# Allegro board T736_DEMO_CORE_AXP8191_LP4_4X_32X1_V0_5-draft.brd (continued)
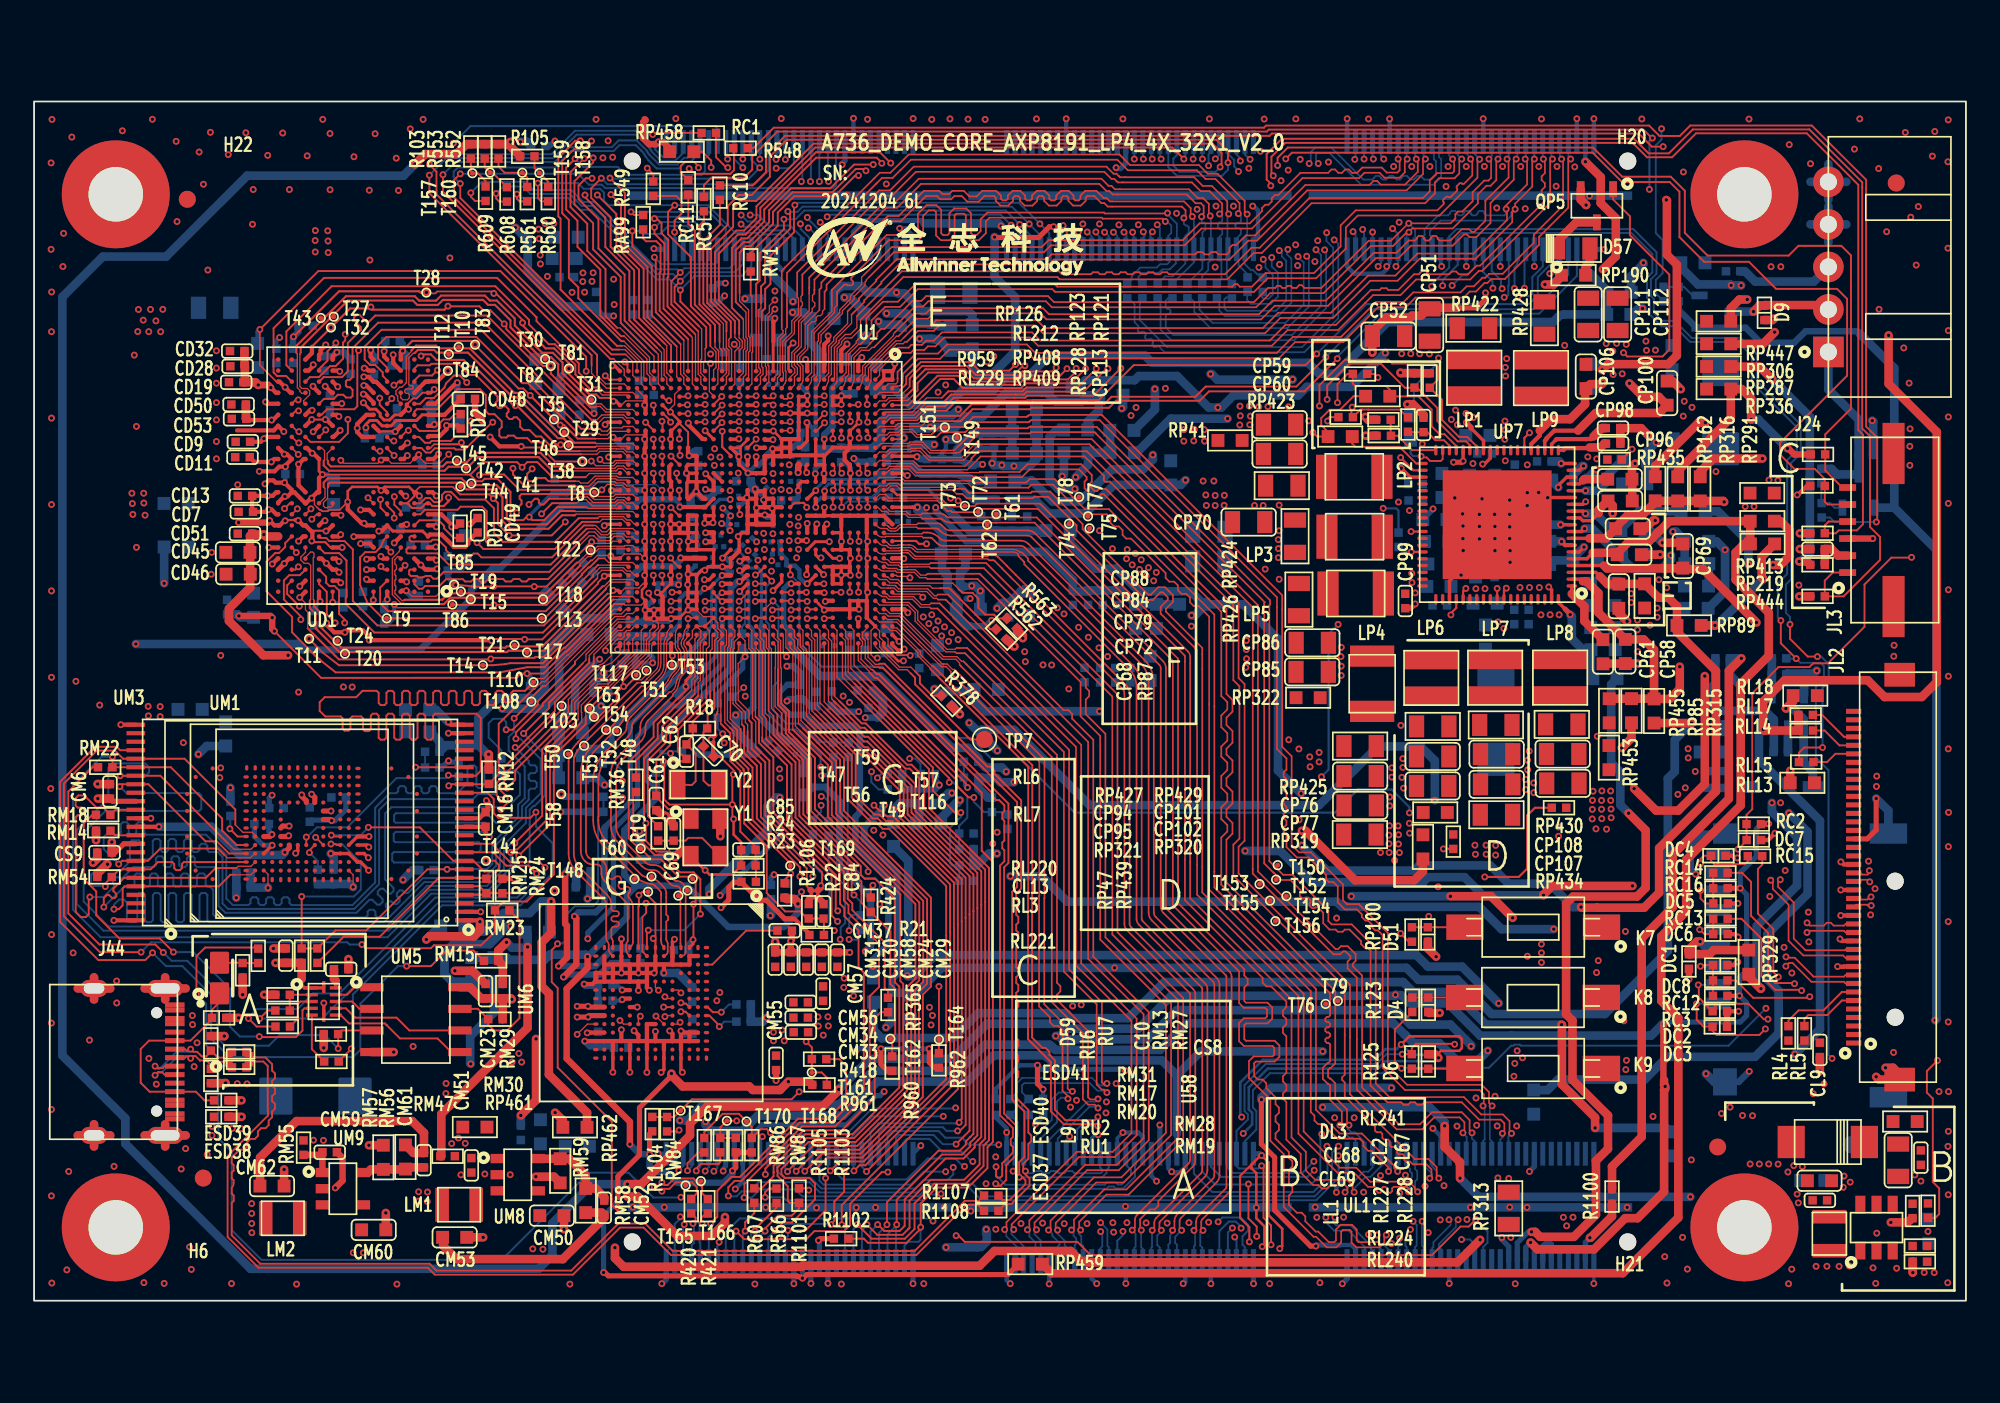
[diagram p0: board, top side]
## Routing (per net, layer and track width the routed paths; a pad name or vN(x,y) marks a point on that pad's centre or on a via; arc(x,y) is an arc through that point) (continued)
PI4: length 40.7
  TOP w0.076: 45.35,33.81 45.06,34.1 45.06,38.18 44.87,38.37 44.87,38.85 44.67,39.04 44.67,39.4 U1.N31
  TOP w0.114: v1(45.28,7.61) 45.28,7.62 46.31,8.65 48.18,8.65 48.18,8.65 48.56,8.65 51.99,12.07 51.99,18.17 52.46,18.65 52.46,22.77 52.46,23.6 47.36,28.71 47.36,31.8 45.35,33.81
  BOTTOM w0.114: J48.33 45.14,7.79 45.28,7.64 v1(45.28,7.61)
PI5: length 39.9
  TOP w0.076: 45.48,33.99 45.21,34.25 45.21,38.24 45.02,38.43 45.02,39.05 U1.M32
  TOP w0.114: v1(45.79,7.61) 46.6,8.42 48.08,8.42 48.65,8.42 52.22,11.98 52.22,12.52 52.22,18 52.69,18.47 52.69,22.67 52.69,22.67 52.69,23.7 47.58,28.81 47.58,31.88 45.48,33.99
  BOTTOM w0.114: J48.35 45.64,8.64 45.64,7.73 45.76,7.61 v1(45.79,7.61)
PI6: length 51.2
  TOP w0.114: U1.M30 44.53,40.15 v1(44.47,40.09)
  L4 w0.114: v1(44.47,40.09) 44.47,39.31 45.19,38.59 45.19,35.17 47.32,33.03 47.32,26.73 48.24,25.82 53.42,25.82 55.95,23.29 55.95,13.67 53.78,11.5 53.78,11.49 53.78,11.19 53.78,8.36 53.64,8.22 53.64,7.7 53.56,7.62 v1(53.56,7.59)
  BOTTOM w0.114: v1(53.56,7.59) 52.27,7.59 51.51,6.82 46.38,6.82 46.14,7.06 46.14,7.36 46.15,7.37 46.15,7.76 46.14,7.78 J48.37
PI7: length 40.7
  TOP w0.076: 45.62,34.15 45.39,34.38 45.39,38.28 45.17,38.5 45.17,39.4 U1.M31
  TOP w0.114: v1(46.78,7.64) 47.33,8.19 47.99,8.19 48.75,8.19 53.59,13.03 53.59,21.48 53.59,21.48 53.59,24.38 50.23,27.74 49.86,27.74 49.72,27.88 49.59,28.01 49.48,28.12 49.18,28.12 47.88,29.41 47.88,29.42 47.81,29.49 47.81,31.96 45.62,34.15
  BOTTOM w0.114: J48.39 46.64,7.78 46.78,7.64 v1(46.78,7.64)
PI8: length 52.6
  TOP w0.114: v1(45.42,41.11) 45.39,41.15 U1.M28
  L4 w0.076: v1(45.42,41.11) 45.11,40.8 45.11,39.68 45.15,39.64
  L4 w0.114: v1(54.66,7.9) 54.59,7.98 54.59,8.26 55.3,8.97 55.3,11.52 57.17,13.39 57.17,23.53 54.17,26.53 48.88,26.53 48.02,27.39 48.02,33.31 45.88,35.45 45.88,38.94 45.18,39.64 45.15,39.64
  BOTTOM w0.114: J48.41 47.14,7.82 47.14,7.82 47.14,7.49 47.51,7.13 51.26,7.13 52.49,8.36 54.13,8.36 54.58,7.9 v1(54.66,7.9)
PI9: length 46.1
  TOP w0.114: v1(44.47,40.61) 44.52,40.65 U1.M29
  L4 w0.076: v1(44.47,40.61) 44.37,40.61 44.16,40.39 44.16,39.2
  L4 w0.114: v1(53.42,10.84) 53.42,10.86 53.46,10.9 53.46,11.51 55.71,13.77 55.71,22.85 52.97,25.59 47.95,25.59 47.08,26.45 47.08,32.95 44.96,35.08 44.96,38.4 44.16,39.2
  BOTTOM w0.114: v1(53.42,10.84) 49.25,10.84 47.64,9.23 J48.43
PI10: length 38.4
  TOP w0.076: U1.L33 45.54,38.53 45.54,34.53 45.74,34.33
  TOP w0.114: v1(48.17,7.64) 48.49,7.96 48.84,7.96 53.82,12.94 53.82,21.69 53.82,21.69 53.82,24.48 50.32,27.97 50.13,27.97 49.95,27.97 49.82,28.1 49.57,28.35 49.27,28.35 48.14,29.48 48.14,29.49 48.04,29.59 48.04,32.03 45.74,34.33
  BOTTOM w0.114: v1(48.17,7.64) 48.17,7.7 48.14,7.73 J48.45
PI11: length 38.8
  TOP w0.076: U1.L32 45.42,39.06 45.69,38.79 45.69,34.69 45.89,34.49
  TOP w0.114: v1(48.91,7.6) 54.05,12.74 54.05,21.89 54.04,21.9 54.04,24.58 50.43,28.2 50.42,28.2 50.05,28.2 49.66,28.58 49.37,28.58 48.37,29.58 48.27,29.68 48.27,32.11 45.89,34.49
  BOTTOM w0.114: J48.47 48.64,7.86 v1(48.91,7.6)
PI12: length 39.8
  TOP w0.076: U1.L31 45.67,39.4 45.67,39.04 45.87,38.85 45.87,34.82 46.22,34.47
  TOP w0.114: 46.22,34.47 48.65,32.04 48.81,32.04 50.86,29.99 50.86,28.73 50.86,28.42 50.93,28.35 53.02,26.26 53.56,25.72 54.37,24.9 54.5,24.77 54.5,22.31 54.5,22.31 54.5,10.69 54.39,10.58 54.39,10.52 v1(54.35,10.48)
  BOTTOM w0.114: J48.49 49.14,9.94 49.63,10.43 54.13,10.43 54.13,10.43 54.29,10.43 v1(54.35,10.48)
PI13: length 39.3
  TOP w0.076: 46.43,34.59 46.02,35 46.02,39.05 U1.K32
  TOP w0.114: v1(54.26,9.98) 54.39,9.98 54.73,10.33 54.73,22.51 54.73,22.51 54.73,24.87 54.54,25.06 53.72,25.88 53.18,26.42 51.15,28.45 51.09,28.51 51.09,28.63 51.09,28.63 51.09,30.09 48.89,32.3 48.72,32.3 46.43,34.59
  BOTTOM w0.114: v1(54.26,9.98) 53.6,9.98 53.39,10.2 49.95,10.2 49.64,9.89 J48.51
PI14: length 48.6
  TOP w0.114: U1.K29 45.47,40.65 v1(45.42,40.61)
  L4 w0.114: v1(45.42,40.61) 45.59,40.61 45.9,40.3 45.9,40.04 46.34,39.6 46.34,35.64 48.49,33.48 48.49,27.77 49.25,27.01 54.42,27.01 57.67,23.76 57.67,12.34 56.68,11.34 v1(56.68,9.17)
  BOTTOM w0.114: v1(56.68,9.17) 54.93,9.17 54.52,9.58 53.53,9.58 53.14,9.97 50.36,9.97 50.14,9.75 J48.53
PI15: length 39.4
  TOP w0.076: U1.K31 46.17,39.4 46.17,35.15 46.56,34.76
  TOP w0.114: v1(54.17,9.2) 54.96,9.99 54.96,22.71 54.96,22.71 54.96,24.96 52.05,27.88 51.38,28.54 51.32,28.6 51.32,30.19 48.97,32.53 48.79,32.53 46.56,34.76
  BOTTOM w0.114: v1(54.17,9.2) 53.39,9.2 52.85,9.74 50.82,9.74 50.64,9.56 J48.55
PI16: length 46.8
  TOP w0.114: v1(45.42,40.1) 45.47,40.15 U1.K30
  L4 w0.114: v1(45.42,40.1) 45.42,40.06 46.11,39.37 46.11,35.54 48.26,33.4 48.26,27.57 49.05,26.77 54.33,26.77 57.44,23.66 57.44,12.72 55.59,10.86 55.59,8.62 v1(55.15,8.18)
  BOTTOM w0.114: J48.57 51.14,9.39 51.26,9.51 52.61,9.51 53.37,8.76 54.5,8.76 55.08,8.18 v1(55.15,8.18)
PJ0: length 46.8
  TOP w0.076: 48.39,56.5 48.3,56.41 48.3,56.3 47.71,55.71 47.71,54.55 47.42,54.27 U1.G2
  TOP w0.102: v1(84.4,67.12) 84.4,67.09 84.5,66.99 84.5,66.15 84.02,65.68 arc(83.95,65.65) 83.88,65.68 arc(83.81,65.71) 83.74,65.68 83.59,65.53 arc(83.56,65.46) 83.59,65.39 83.59,65.39 arc(83.62,65.32) 83.59,65.25 83.23,64.89 arc(83.16,64.86) 83.09,64.89 83.09,64.89 arc(83.02,64.92) 82.95,64.89 82.8,64.74 arc(82.77,64.67) 82.8,64.6 82.8,64.6 arc(82.83,64.53) 82.8,64.46 82.44,64.1 77.64,64.1 76.76,63.22 76.76,61.98 75.2,60.41 72.35,60.41 71.55,59.61 70.84,59.61 70.69,59.76 70.54,59.76 70.39,59.61 60.12,59.61 60.09,59.64 60.08,59.64 59.95,59.77 51.79,59.77 50.75,58.73 50.12,58.73 49.87,58.73 48.9,57.75 48.9,57 48.39,56.5
  BOTTOM w0.102: J47.32 84.14,67.45 84.38,67.2 84.38,67.13 v1(84.4,67.12)
PJ1: length 47
  TOP w0.076: U1.G3 47.56,53.79 47.67,54.05 47.67,54.26 47.86,54.45 47.86,55.64 48.45,56.23 48.56,56.23
  TOP w0.102: 48.56,56.23 48.61,56.28 49.2,56.87 49.2,57.63 50,58.42 50.87,58.42 51.92,59.47 59.82,59.47 59.95,59.34 59.96,59.34 59.99,59.31 71.67,59.31 72.48,60.11 75.32,60.11 77.07,61.86 77.07,63.1 77.77,63.8 82.57,63.8 84.8,66.03 84.8,66.98 v1(84.93,67.1)
  BOTTOM w0.102: J47.30 84.64,67.42 84.93,67.13 v1(84.93,67.1)
PJ2: length 46
  TOP w0.076: 48.34,57.88 48.34,57.19 47.96,56.81 47.66,56.81 47.29,56.44 47.29,56.31 47.02,56.04 47.02,54.25 U1.H2
  TOP w0.102: v1(83.34,67.12) 83.43,67.03 83.43,66.39 83.33,66.29 82.41,66.29 82,65.88 82,65.23 81.6,64.82 74.93,64.82 72.01,61.9 71.52,61.9 69.97,60.35 66.68,60.35 66.57,60.46 66.27,60.46 66.16,60.35 65.87,60.35 65.76,60.46 65.46,60.46 65.35,60.35 65.05,60.35 64.94,60.46 64.65,60.46 64.54,60.35 64.24,60.35 64.13,60.46 63.84,60.46 63.72,60.35 63.43,60.35 63.32,60.46 63.02,60.46 62.91,60.35 62.62,60.35 62.5,60.46 62.21,60.46 62.1,60.35 60.39,60.35 60.22,60.52 50.98,60.52 48.34,57.88
  BOTTOM w0.102: v1(83.34,67.12) 83.14,67.32 J47.36
PJ3: length 46.1
  TOP w0.076: 48.56,57.67 48.56,57.13 48.03,56.59 47.66,56.59 47.44,56.37 47.44,56.24 47.18,55.98 47.18,55.8 47.17,55.79 47.17,54.05 47.14,53.98 U1.H3
  TOP w0.102: v1(83.87,67.12) 83.73,66.98 83.73,66.27 83.45,65.99 82.54,65.99 82.3,65.75 82.3,65.1 81.72,64.52 75.06,64.52 72.13,61.6 71.65,61.6 70.1,60.04 60.26,60.04 60.24,60.07 60.24,60.07 60.13,60.18 51.07,60.18 48.56,57.67
  BOTTOM w0.102: v1(83.87,67.12) 83.64,67.35 J47.34
PJ4: length 47.4
  TOP w0.102: U1.K5 46.38,52.65 v1(46.42,52.69)
  L4 w0.076: 46.89,54.11 46.84,54.11 46.78,54.05 46.78,53.17 46.69,52.95 v1(46.42,52.69)
  L4 w0.102: 46.89,54.11 47.45,54.67 49.02,54.67 49.45,55.1 49.45,55.52 50.97,57.04 51.73,57.04 51.73,57.04 53.64,57.04 55.28,58.69 56.35,58.69 57.41,59.75 61.36,59.75 63.65,62.04 67.05,62.04 67.84,62.83 71.17,62.83 74.53,66.19 74.93,66.19 75.22,66.48 75.22,66.66 75.42,66.85 v1(75.45,66.85)
  BOTTOM w0.102: J47.38 82.64,67.54 82.54,67.44 82.54,67.24 82.67,67.11 82.67,66.05 82.23,65.61 77.97,65.61 76.1,67.48 75.42,67.48 75.31,67.38 75.31,66.96 75.42,66.85 v1(75.45,66.85)
PJ5: length 47.5
  TOP w0.102: v1(46.42,53.2) 46.37,53.15 U1.K4
  L4 w0.076: 46.9,54.51 46.62,54.24 46.62,53.3 46.52,53.2 v1(46.42,53.2)
  L4 w0.102: 46.9,54.51 47.33,54.95 48.9,54.95 49.17,55.22 49.17,55.64 50.85,57.32 51.61,57.32 51.62,57.32 53.52,57.32 55.17,58.97 56.23,58.97 57.3,60.03 61.24,60.03 63.53,62.32 66.93,62.32 67.73,63.11 71.05,63.11 74.41,66.47 74.81,66.47 74.94,66.59 74.94,66.83 v1(74.92,66.85)
  BOTTOM w0.102: v1(74.92,66.85) 75.01,66.95 75.01,67.51 75.04,67.54 75.04,67.57 75.26,67.79 75.64,67.79 75.64,67.79 76.22,67.79 78.1,65.91 78.62,65.91 78.73,66.01 78.73,66.02 78.83,66.12 79.03,66.12 79.13,66.02 79.13,66.01 79.23,65.91 79.44,65.91 79.54,66.01 79.54,66.02 79.64,66.12 79.84,66.12 79.94,66.02 79.94,66.01 80.05,65.91 80.25,65.91 80.35,66.01 80.35,66.02 80.45,66.12 80.66,66.12 80.76,66.02 80.76,66.01 80.86,65.91 81.06,65.91 81.16,66.01 81.16,66.02 81.27,66.12 81.47,66.12 81.57,66.02 81.57,66.01 81.67,65.91 82.1,65.91 82.36,66.17 82.36,66.99 82.24,67.11 82.24,67.45 82.14,67.55 J47.40
PJ6: length 43.9
  TOP w0.076: U1.J2 46.42,54.26 46.69,54.52 46.69,56.13 46.98,56.43 46.98,56.63 47.8,57.44 47.8,58.17
  TOP w0.102: v1(81.21,67.12) 81.3,67.03 81.3,66.36 80.54,65.61 79.13,65.61 78.91,65.83 78.69,65.83 78.45,65.59 74.69,65.59 71.72,62.62 71.19,62.62 70.63,62.07 70.55,62.07 70.41,62.07 70.23,61.89 70.23,61.81 70.23,61.67 70.08,61.51 69.58,61.51 69.45,61.65 69.18,61.65 69.04,61.51 68.77,61.51 68.63,61.65 68.36,61.65 68.23,61.51 59.78,61.51 59.5,61.23 50.68,61.23 49.48,60.02 49.48,59.94 48.46,58.93 48.46,58.84 47.8,58.17
  BOTTOM w0.102: J47.44 81.14,67.18 v1(81.21,67.12)
PJ7: length 44
  TOP w0.076: 48.03,57.97 48.03,57.46 47.13,56.56 47.13,56.36 46.84,56.07 46.84,54.46 46.67,54.29 46.67,54.07 46.55,53.77 U1.J3
  TOP w0.102: v1(81.74,67.12) 81.6,66.98 81.6,66.24 80.64,65.27 74.8,65.27 71.85,62.32 71.34,62.32 70.23,61.21 59.91,61.21 59.62,60.93 50.81,60.93 49.78,59.89 49.78,59.81 48.77,58.8 48.77,58.71 48.03,57.97
  BOTTOM w0.102: J47.42 81.64,67.22 v1(81.74,67.12)
PJ8: length 43.8
  TOP w0.076: 48.76,60.32 48.62,60.17 48.62,59.74 47.96,59.08 47.96,58.88 47.33,58.25 47.33,58.09 46.08,56.84 46.08,56.43 46.02,56.36 46.02,54.38 45.92,54.29 U1.K2
  TOP w0.102: v1(80.14,67.12) 80.23,67.03 80.23,66.46 80.09,66.32 79.47,66.32 79.18,66.62 78.04,66.62 77.72,66.3 77.44,66.3 77.24,66.5 77.04,66.5 76.84,66.3 76.63,66.3 76.43,66.5 76.23,66.5 76.02,66.3 74.4,66.3 73.1,65 72.91,65 72.72,64.81 72.72,64.62 72.52,64.43 72.33,64.43 72.14,64.24 72.14,64.05 71.43,63.34 68.48,63.34 67.49,62.35 59.61,62.35 59.2,61.94 50.39,61.94 48.76,60.32
  BOTTOM w0.102: J47.48 v1(80.14,67.12)
PJ9: length 43.9
  TOP w0.076: 49.07,60.19 48.9,60.02 48.9,59.97 48.82,59.89 48.82,59.68 48.18,59.04 48.18,58.89 47.49,58.2 47.49,58.03 46.23,56.78 46.23,56.36 46.17,56.3 46.17,54.38 46.17,54.38 46.17,54.07 46.05,53.78 U1.K3
  TOP w0.102: 49.07,60.19 50.52,61.64 59.33,61.64 59.73,62.04 67.6,62.04 68.59,63.03 71.56,63.03 74.52,66 77.85,66 78.16,66.31 79.05,66.31 79.34,66.02 80.22,66.02 80.53,66.33 80.53,66.98 v1(80.67,67.12)
  BOTTOM w0.102: J47.46 80.64,67.15 v1(80.67,67.12)
PJ10: length 49.1
  TOP w0.076: U1.A3 50.42,53.67 50.5,53.75 50.69,53.75 50.72,53.78 50.86,53.78 51.04,53.95 51.04,54.08
  TOP w0.102: v1(90.27,67.12) 90.13,66.98 90.13,64.26 88.42,62.54 88.42,62.07 86.41,60.06 85.62,60.06 85.39,59.83 85.22,59.83 84.71,59.33 84.35,59.33 83.99,58.97 81.16,58.97 80.79,58.6 80.78,58.6 80.58,58.41 78.96,58.41 76.95,56.39 76.91,56.35 74.08,56.35 73.14,55.41 58.69,55.41 58.2,55.91 53.77,55.91 53.23,55.38 51.94,55.38 51.04,54.48 51.04,54.35 51.04,54.35 51.04,54.08
  BOTTOM w0.102: v1(90.27,67.12) 90.14,67.25 J47.8
PJ11: length 49.2
  TOP w0.076: U1.B3 50.17,53.9 50.63,53.9 50.73,54 50.73,54.08
  TOP w0.102: v1(89.74,67.12) 89.83,67.03 89.83,64.38 88.11,62.67 88.11,62.2 86.28,60.37 85.49,60.37 85.48,60.36 85.26,60.14 85.09,60.14 84.59,59.63 84.16,59.63 83.81,59.28 81.03,59.28 80.66,58.91 80.65,58.91 80.46,58.71 78.83,58.71 76.82,56.7 76.78,56.66 73.96,56.66 73.02,55.72 58.82,55.72 58.32,56.22 53.64,56.22 53.1,55.68 51.81,55.68 50.73,54.6 50.73,54.22 50.73,54.08
  BOTTOM w0.102: J47.10 89.64,67.22 v1(89.74,67.12)
PJ12: length 48.1
  TOP w0.076: 50.78,56.03 50.74,56.03 49.42,54.72 U1.C1
  TOP w0.102: 50.78,56.03 51.38,56.03 51.54,56.2 52.17,56.2 52.41,56.43 52.85,56.43 53.34,56.93 58.64,56.93 59.12,56.45 72.6,56.45 73.52,57.37 76.49,57.37 78.09,58.97 78.54,59.42 79.06,59.42 79.16,59.52 79.46,59.52 79.56,59.42 80.15,59.42 81.07,60.34 81.35,60.34 81.45,60.45 81.45,60.45 81.55,60.55 81.75,60.55 81.86,60.45 81.86,60.45 81.96,60.34 83.14,60.34 83.3,60.51 83.55,60.51 83.71,60.34 84.25,60.34 84.76,60.85 84.95,60.85 88.76,64.66 88.76,64.88 88.57,65.07 88.57,65.29 88.76,65.48 88.76,65.69 88.57,65.89 88.57,66.1 88.76,66.29 88.76,67.03 v1(88.67,67.12)
  BOTTOM w0.102: v1(88.67,67.12) 88.64,67.15 J47.14
PJ13: length 48.2
  TOP w0.076: U1.C2 49.67,54.4 49.67,54.75 50.65,55.72 50.9,55.72
  TOP w0.102: v1(89.21,67.12) 89.07,66.98 89.07,64.53 85.08,60.54 84.88,60.54 84.38,60.04 81.2,60.04 80.28,59.12 78.67,59.12 78.21,58.66 76.61,57.06 73.65,57.06 72.72,56.14 58.99,56.14 58.51,56.62 53.47,56.62 52.95,56.11 52.51,56.11 52.3,55.89 51.67,55.89 51.5,55.72 50.9,55.72
  BOTTOM w0.102: J47.12 89.14,67.18 v1(89.21,67.12)
PJ14: length 47.4
  TOP w0.076: 50.58,56.93 50.49,56.84 50.49,56.74 48.68,54.93 48.68,54.49 48.42,54.24 U1.E2
  TOP w0.102: 50.58,56.93 51.68,58.03 52.39,58.03 52.71,58.35 59.27,58.35 59.63,58 71.97,58 72.76,58.79 75.89,58.79 77.37,60.28 77.38,60.28 78.71,61.6 80.04,61.6 80.77,62.33 81.14,62.33 81.24,62.43 81.24,62.49 81.34,62.59 81.55,62.59 81.65,62.49 81.65,62.43 81.75,62.33 81.95,62.33 82.06,62.43 82.06,62.49 82.16,62.59 82.36,62.59 82.46,62.49 82.46,62.43 82.56,62.33 83.21,62.33 83.87,62.99 84.31,62.99 84.47,62.83 84.61,62.83 85.26,63.49 85.26,64.66 86.63,66.03 86.63,67.03 v1(86.54,67.12)
  BOTTOM w0.102: v1(86.54,67.12) 86.64,67.22 J47.22
PJ15: length 47.4
  TOP w0.076: 50.8,56.72 50.78,56.7 50.67,56.7 48.83,54.87 48.83,54.43 48.67,54.27 48.67,54.08 48.54,53.77 U1.E3
  TOP w0.102: v1(87.07,67.12) 86.93,66.98 86.93,65.9 85.57,64.54 85.57,63.36 84.74,62.53 84.34,62.53 84.19,62.68 84,62.68 83.34,62.02 80.89,62.02 80.17,61.3 78.83,61.3 77.51,59.97 77.5,59.97 76.02,58.49 72.89,58.49 72.09,57.69 59.48,57.69 59.36,57.82 59.35,57.82 59.12,58.05 52.83,58.05 52.52,57.73 51.81,57.73 50.8,56.72
  BOTTOM w0.102: J47.20 87.14,67.18 v1(87.07,67.12)
PJ16: length 54.9
  TOP w0.076: U1.D2 49.02,54.25 49.02,54.81 50.64,56.43 50.91,56.43 51.08,56.6
  TOP w0.102: v1(87.61,67.12) 87.72,67.01 87.72,65.62 86.45,64.36 86.45,64.21 v1(86.48,64.18) 86.48,64.17 86.48,64.11 86.53,64.06 86.53,63.53 84.57,61.56 81.27,61.56 79.98,60.27 78.38,60.27 77.79,59.68 76.19,58.08 73.09,58.08 72.19,57.18 59.39,57.18 58.93,57.64 53,57.64 52.68,57.32 51.8,57.32 51.08,56.6
  BOTTOM w0.102: v1(87.61,67.12) 87.64,67.15 J47.18 ; J47.41 81.64,62.6 81.7,62.66 81.7,63 82.51,63.81 83.08,63.81 83.18,63.91 83.18,63.96 83.28,64.06 83.49,64.06 83.59,63.96 83.59,63.91 83.69,63.81 83.89,63.81 83.99,63.91 83.99,63.96 84.1,64.06 84.3,64.06 84.4,63.96 84.4,63.91 84.5,63.81 84.71,63.81 84.81,63.91 84.81,63.96 84.91,64.06 85.11,64.06 85.21,63.96 85.21,63.91 85.32,63.81 86.38,63.81 86.48,63.91 v1(86.48,64.18)
PJ17: length 54.8
  TOP w0.076: 51.29,56.38 51.28,56.37 51.17,56.37 51.06,56.26 50.68,56.26 49.17,54.75 49.17,54.09 49.04,53.76 U1.D3
  TOP w0.102: v1(88.14,67.12) 88.02,67 88.02,65.5 87.01,64.49 v1(87.01,64.17) 86.84,63.99 86.84,63.4 84.69,61.26 81.4,61.26 80.1,59.96 78.5,59.96 77.92,59.38 76.32,57.78 73.22,57.78 72.32,56.88 59.26,56.88 58.8,57.33 53.18,57.33 52.86,57.01 51.92,57.01 51.29,56.38
  BOTTOM w0.102: J47.16 v1(88.14,67.12) ; v1(87.01,64.17) 86.87,64.02 86.83,64.02 86.79,63.98 86.79,63.78 86.51,63.5 82.63,63.5 82,62.87 82,62.65 82.14,62.51 J47.39
PJ18: length 48.5
  TOP w0.076: U1.F2 48.02,54.25 48.02,55.51 48.54,56.03 48.9,56.03 49.14,56.27
  TOP w0.102: v1(85.47,67.12) 85.6,66.99 85.6,66.01 85.44,65.85 85.2,65.85 84.52,65.17 84.52,64.64 83.91,64.03 83.66,64.03 83.5,63.87 83.5,63.62 83.22,63.34 v1(80.77,63.34) 80.74,63.34 79.72,62.31 78.41,62.31 77.09,60.99 77.08,60.99 75.63,59.54 74.63,59.54 74.47,59.7 74.33,59.7 74.16,59.54 73.95,59.54 73.83,59.66 73.64,59.66 73.52,59.54 73.34,59.54 73.22,59.66 73.03,59.66 72.91,59.54 72.5,59.54 71.67,58.71 59.92,58.71 59.57,59.06 52.41,59.06 52.13,58.77 51.61,58.77 49.97,57.13 49.76,57.13 49.54,56.91 49.54,56.7 49.14,56.3 49.14,56.27
  BOTTOM w0.102: J47.26 85.64,67.28 v1(85.47,67.12) ; v1(80.77,63.34) 80.77,63.33 81.13,62.96 81.13,62.96 81.13,62.95 81.13,62.87 81.14,62.86 J47.43
PJ19: length 48
  TOP w0.076: U1.F3 48.04,53.76 48.17,54.09 48.17,55.45 48.6,55.88 49.07,55.88 49.23,56.04 49.34,56.04 49.35,56.05
  TOP w0.102: v1(86.01,67.12) 85.91,67.02 85.91,65.88 85.57,65.55 85.33,65.55 84.82,65.04 84.82,64.51 83.35,63.03 80.96,63.03 80.78,62.85 80.78,62.82 v1(80.77,62.82) 80.65,62.82 79.84,62.01 78.54,62.01 77.21,60.68 77.21,60.68 75.76,59.23 72.63,59.23 71.8,58.4 59.8,58.4 59.44,58.76 52.54,58.76 52.22,58.44 51.74,58.44 49.35,56.05
  BOTTOM w0.102: J47.45 80.63,61.82 80.63,62.66 80.77,62.8 v1(80.77,62.82) ; J47.24 86.14,67.25 v1(86.01,67.12)
PJ20: length 45
  TOP w0.114: U1.H7 47.4,51.65 v1(47.42,51.68)
  L3 w0.114: v1(79.81,63.03) 79.81,66.01 79.29,66.53 v1(79.29,67.12)
  L4 w0.076: 48.51,52.29 48.04,52.29 v1(47.42,51.68)
  L4 w0.114: 48.51,52.29 49.11,52.29 50.65,53.82 50.81,53.82 51.97,54.99 52.72,54.99 53.18,55.44 54.29,55.44 55.97,57.12 58.28,57.12 59.26,58.11 62.39,58.11 64.42,60.14 75.49,60.14 76.04,60.7 76.07,60.7 76.11,60.74 78.39,60.74 78.81,61.17 79.7,61.17 80.01,60.86 v1(80.01,60.81)
  BOTTOM w0.114: J47.52 79.14,67.28 79.29,67.12 v1(79.29,67.12) ; v1(79.81,63.03) 80.14,62.7 J47.47 80.14,60.93 v1(80.01,60.81)
PJ21: length 39
  TOP w0.114: U1.H6 47.39,52.15 v1(47.42,52.18)
  L4 w0.114: v1(78.68,67.12) 77.65,66.08 76.19,66.08 75.42,65.32 74.89,65.32 71.3,61.73 68.55,61.73 67.66,60.83 64.14,60.83 62.11,58.81 58.37,58.81 57.38,57.82 55.65,57.82 53.96,56.13 52.83,56.13 52.41,55.71 51.75,55.71 50.59,54.56 49.98,54.56 49.17,53.74 48.99,53.74 v1(47.42,52.18)
  BOTTOM w0.114: J47.54 78.64,67.17 78.68,67.12 v1(78.68,67.12)
PJ22: length 40.7
  TOP w0.114: U1.K8 45.98,51.15 v1(46.44,51.61)
  L4 w0.076: 47.3,53.6 47.11,53.41 47.11,52.27 v1(46.44,51.61)
  L4 w0.114: v1(78.14,67.12) 77.33,66.31 76.09,66.31 75.33,65.55 74.79,65.55 71.21,61.96 68.3,61.96 67.39,61.06 63.83,61.06 61.83,59.07 58.08,59.07 57.06,58.05 55.55,58.05 53.87,56.36 52.72,56.36 52.31,55.95 50.71,55.95 50.1,55.34 50.1,54.98 49.15,54.03 47.73,54.03 47.3,53.6
  BOTTOM w0.114: J47.56 v1(78.14,67.12)
PJ23: length 40
  TOP w0.114: v1(46.44,52.15) 45.93,51.65 U1.K7
  L4 w0.076: v1(46.44,52.15) 46.62,52.15 46.95,52.49 46.95,53.63 47.16,53.84
  L4 w0.114: v1(77.59,67.1) 77.07,66.58 76.2,66.58 76.04,66.58 75.23,65.78 74.7,65.78 71.19,62.26 68.2,62.26 67.22,61.29 63.52,61.29 61.57,59.34 57.93,59.34 56.86,58.27 55.45,58.27 53.81,56.63 52.62,56.63 52.17,56.18 50.64,56.18 49.84,55.38 49.84,55.04 49.09,54.28 47.61,54.28 47.16,53.84
  BOTTOM w0.114: J47.58 77.64,67.14 v1(77.59,67.1)
PJ24: length 36.3
  TOP w0.114: v1(47.96,51.69) 47.92,51.72 U1.F6
  L4 w0.114: v1(47.96,51.69) 48.29,52.02 49.24,52.02 50.85,53.63 50.89,53.63 52,54.74 52.81,54.74 53.29,55.22 54.42,55.22 56.05,56.85 58.48,56.85 59.51,57.88 62.48,57.88 64.51,59.91 75.58,59.91 76.14,60.47 78.63,60.47 v1(78.96,60.81)
  BOTTOM w0.114: J47.51 79.14,61 78.96,60.82 v1(78.96,60.81)
PJ25: length 36.9
  TOP w0.114: v1(48.42,52.69) 48.38,52.65 U1.F5
  L3 w0.114: v1(78.64,62.82) 78.64,62.72 75.67,59.75 70.4,59.75 v1(69.39,60.77)
  L4 w0.114: v1(48.42,52.69) 48.42,52.8 48.72,53.09 48.86,53.09 50.07,54.3 50.7,54.3 51.86,55.46 52.51,55.46 52.95,55.9 54.06,55.9 55.74,57.59 57.56,57.59 58.54,58.57 62.2,58.57 64.23,60.6 69.22,60.6 v1(69.39,60.77)
  BOTTOM w0.114: v1(78.64,62.82) J47.53
PJ26: length 44
  TOP w0.114: v1(46.93,50.67) 46.92,50.68 U1.H8
  L3 w0.114: v1(78.06,62.98) 77.72,63.32 77.13,63.32 76.92,63.11 76.92,62.04 75.17,60.29 71.05,60.29 69.79,61.55 68.13,61.55 67.64,61.07 61.8,61.07 61.74,61.12 60.95,61.12 60.63,60.81 v1(60.63,60.81)
  L4 w0.114: v1(46.93,50.67) 46.94,50.69 46.94,50.8 46.75,50.98 46.09,50.98 45.78,51.3 45.78,54.27 47.36,55.85 47.85,55.85 48.79,56.78 49.13,56.78 49.13,56.78 49.38,56.78 50.42,57.82 50.55,57.96 51.35,57.96 51.35,57.96 53.25,57.96 54.91,59.62 55.36,59.62 55.89,59.62 56.4,60.12 56.4,60.13 56.97,60.7 60.52,60.7 60.63,60.8 v1(60.63,60.81)
  BOTTOM w0.114: v1(78.06,62.98) 78.14,62.9 J47.55
PJ27: length 42.4
  TOP w0.114: v1(47.44,50.72) 47.44,50.73 47.42,50.75 U1.G8
  L3 w0.114: v1(77.49,62.85) 77.49,62.21 75.32,60.03 70.82,60.03 69.65,61.2 68.34,61.2 67.94,60.8 61.59,60.8 61.51,60.71 61.37,60.71 v1(61.33,60.75)
  L4 w0.114: v1(47.44,50.72) 47.44,50.73 46.96,51.22 46.23,51.22 46.01,51.45 46.01,54.15 47.45,55.59 47.95,55.59 48.91,56.55 49.22,56.55 49.22,56.55 49.47,56.55 50.65,57.73 51.44,57.73 51.45,57.73 53.35,57.73 55,59.39 56.07,59.39 57.13,60.45 60.48,60.45 60.48,60.44 60.78,60.44 60.78,60.45 60.99,60.45 61.29,60.75 v1(61.33,60.75)
  BOTTOM w0.102: v1(77.49,62.85) 77.64,62.7 J47.57
PL2: length 3
  TOP w0.114: v1(38.71,4.54) 38.86,4.69 38.86,4.88 R420.2
  BOTTOM w0.114: J48.8 38.64,3.27 38.76,3.39 38.76,4.49 v1(38.71,4.54)
PL3: length 3.1
  TOP w0.114: v1(39.24,4.54) 39.2,4.58 39.2,4.87 39.46,5.13 R421.2
  BOTTOM w0.114: J48.10 39.14,3.39 39.1,3.44 39.1,4.4 v1(39.24,4.54)
PL4: length 17.5
  TOP w0.114: R418.2 47.31,14.2 47.71,13.8 47.71,11.78 46.64,10.7 44.89,10.7 41.46,7.27 40.95,7.27 40.14,6.46 40.14,4.93 v1(39.75,4.54)
  BOTTOM w0.114: J48.12 39.64,4.43 v1(39.75,4.54)
PL5: length 46.2
  L4 w0.114: v1(40.25,3.45) 40.3,3.49 40.43,3.49 40.53,3.59 45.03,3.59 45.44,4 46.44,4 46.69,3.76 51.09,3.76 51.43,4.1 51.43,5.82 52.3,6.69 52.3,8.49 52.47,8.67 52.47,9.63 52.21,9.89 52.21,11.75 54.1,13.64 54.1,21.01 51.79,23.31 v1(49.68,23.31)
  BOTTOM w0.114: R419.2 47.8,31.9 47.8,25.81 48.77,24.84 49.41,24.84 49.68,24.57 v1(49.68,23.31) ; v1(40.25,3.45) 40.2,3.4 40.2,3.26 40.14,3.2 J48.14
PL6: length 40.1
  TOP w0.114: R424.2 49.15,24.3 v1(49.28,24.42)
  L4 w0.114: v1(49.28,24.42) 49.54,24.16 52.84,24.16 54.75,22.25 54.75,13.46 52.81,11.52 52.81,10.41 53.05,10.18 53.05,8.27 52.96,8.19 52.96,6.58 52.7,6.31 52.7,4.8 v1(52.81,4.68)
  BOTTOM w0.114: J48.16 40.64,4.02 41.46,4.84 52.66,4.84 v1(52.81,4.68)
PL7: length 31.6
  TOP w0.114: v1(50.16,7.56) 49.8,7.56 47.94,5.7 47.94,4.44 47.6,4.09 45.85,4.09 45.37,3.62 41.72,3.62 v1(41.25,4.09)
  L4 w0.114: v1(50.16,7.56) 50.16,11.99 50.97,12.79 50.97,17.45 51.8,18.29 51.8,19.47 50.05,21.23 47.9,21.23 v1(47.88,21.24)